# Allegro board GPS_INTERFACE_BOARD_v24_test_SFP_.brd (continued)
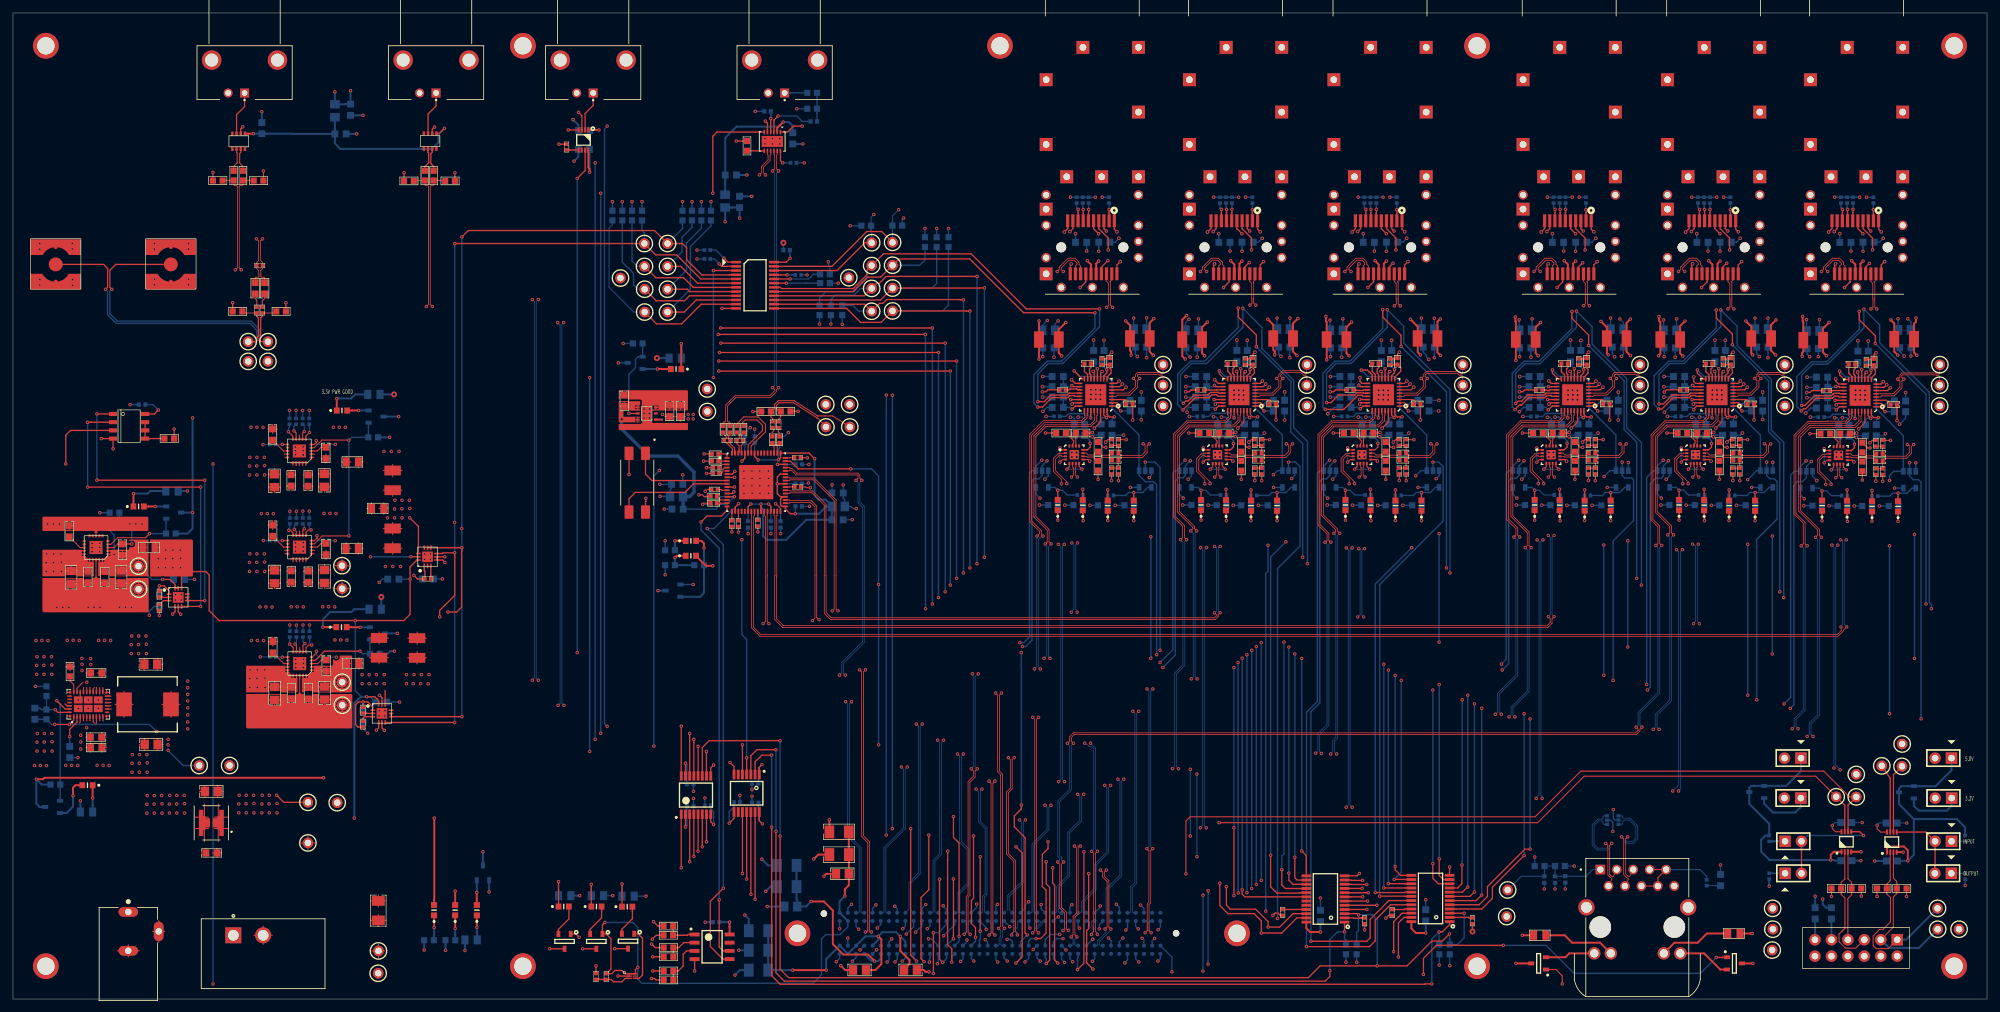
[diagram p0: board, top side]
## Routing (per net, layer and track width the routed paths; a pad name or vN(x,y) marks a point on that pad's centre or on a via; arc(x,y) is an arc through that point) (continued)
  BOTTOM w0.165: R70.2 v1(49.76,70.84) ; R255.2 v1(43.71,90.98) ; C129.2 v1(236.45,17.02) ; R113.2 v1(43.76,75.39) ; C115.2 v1(292.4,27.2) ; C15.1 107.16,77.62 107.14,77.64 106.74,77.64 106.45,77.93 v1(105.92,77.93) ; C23.1 119.14,86.96 v1(119.74,87.55) ; C127.2 v1(238.1,17.02) ; R262.2 v1(42.75,57.81) ; v1(113.85,88.31) 113,87.47 C20.1 113,86.91 ; R261.2 v1(43.76,57.78) ; R112.2 v1(44.75,75.41) ; C19.1 v1(118.52,71.93) ; C22.2 v1(126.47,79.48) ; v1(103.43,81.03) 103.43,80.3 103.43,80.3 C13.2 ; R118.2 v1(44.73,90.96) ; R256.2 v1(42.7,90.98) ; C24.1 v1(122.99,76.15) ; R258.2 v1(49.94,52.83) ; C16.2 101.06,75.74 101.04,75.72 v1(100.56,75.72) ; C29.2 129.09,74.07 129.11,74.09 v1(129.59,74.09) ; C25.1 v1(117.02,71.93) ; R259.2 v1(45.8,57.81) ; C119.2 v1(285.52,27.28) ; R63.2 v1(45.75,75.41) ; R115.2 v1(45.75,90.98) ; C26.1 122.72,79.65 v1(122.82,79.75) ; 121.81,82.63 C18.1 v1(122.89,82.63) ; R257.2 v1(38.61,85.7) ; R114.2 v1(49.78,85.72) ; R263.2 v1(38.2,52.88) ; R64.2 v1(42.75,75.39) ; R65.2 v1(38.66,70.87) ; C123.1 v1(263.65,20.73) ; R117.2 v1(241.07,20.55) ; C128.2 v1(239.67,17.02) ; C28.1 v1(114.53,88.06) ; R260.2 v1(44.78,57.81) ; C14.1 v1(106.5,76.45) ; C27.1 v1(113.51,71.93)
  BOTTOM w0.17: C240.2 192.89,87.15 v4(193.22,87.48) ; v4(284.63,86.79) 284.88,87.04 C142.1 ; C263.2 v4(174.22,93.83) ; C148.2 288.77,87.04 v4(289.1,87.38) ; C191.1 240.51,87.15 v4(240.26,86.89) ; v4(188.75,86.89) 189,87.15 C237.1 ; v4(244.73,87.48) 244.4,87.15 C196.2 ; C215.1 v4(220.14,90.88) ; R240.2 v4(159.51,90.04) ; v4(164.47,89.94) 165.1,89.94 165.48,89.56 C254.2 ; C259.1 v4(174.22,89.53) ; C220.2 v4(220.17,92.53)
  BOTTOM w0.203: J8.C40 127.64,6.3 v1(127.13,5.79) ; v1(21.06,59.31) 21.06,59.92 21.84,60.7 C59.2 ; v4(266.7,117.58) 266.09,116.97 C159.1 ; v4(276.78,90.55) 277.57,91.34 C150.2 ; v4(207.72,89.94) 208.08,89.94 208.31,89.71 C207.2 ; J8.D28 141.81,9.32 v1(141.35,9.32) ; C247.2 v4(160.73,99.19) ; v1(136.19,5.74) 136.53,6.07 J8.C33 ; C201.2 217.73,99.99 218.23,99.49 218.23,99.22 v4(218.59,98.86) ; J8.G4 173.35,11.23 v1(173.74,10.85) ; v4(260.4,89.94) 261.04,89.94 261.42,89.56 C162.2 ; R135.2 v4(277.52,89.94) ; C181.1 v4(237.69,118.29) ; v1(141.17,10.87) 141.6,11.3 141.6,12.06 ; v4(173.61,99.31) 173.3,99.62 C248.2 ; C139.2 283.49,89.46 283.11,89.84 v4(282.47,89.84) ; C189.1 v4(232.64,96.22) ; R36.2 v1(3.47,48.32) ; C190.1 v4(232.61,93.04) ; J8.H18 156.29,14.05 156.29,14.5 v1(156.82,15.04) ; C236.1 v4(196.34,89.48) ; v1(276.93,105.01) C134.1 ; v1(248.11,105.11) 248.68,104.54 C183.1 ; C145.1 v4(286.46,101.7) ; R139.2 v4(284.3,76.2) ; C203.1 v1(203.34,104.93) ; C193.2 v4(240.49,101.83) ; C231.2 187.6,89.56 187.23,89.94 v4(186.59,89.94) ; J8.D39 v1(128.91,9.42) ; U37.3 220.21,80.89 v1(219.74,80.42) ; J8.C17 156.84,6.32 v1(156.26,5.74) ; J8.D13 v1(162.59,7.59) ; C155.2 v4(256.67,99.19) ; C214.1 v4(212.88,101.8) ; J8.C20 153.03,6.35 v1(153.52,5.87) ; J8.H3 174.62,14 v1(174.09,14.53) ; C229.1 v1(197.16,105.23) ; J8.C5 172.09,5.99 v1(171.68,5.59) ; J8.G11 164.47,11.15 v1(164.67,10.95) ; v4(269.65,99.29) 269.24,99.7 C156.2 ; v1(146.3,5.82) 146.69,6.2 J8.C25 ; v1(135.69,9.3) 135.25,8.86 J8.D34 ; R159.2 v4(266.12,76.3) ; v1(143.69,9.78) 145.41,11.51 J8.G26 ; R80.2 v1(97.74,15.9) ; v4(203.76,80.34) 204.28,80.86 U36.3 ; v1(129.46,14.63) 128.91,14.07 J8.H39 ; J8.C32 137.79,6.35 v1(137.31,5.87) ; C250.1 v4(164.06,118.29) ; v1(142.72,5.46) 142.88,5.61 J8.C28 ; v1(163.5,14.58) 163.19,14.27 J8.H12 ; R219.2 v4(181.64,90.04) ; v1(171.37,9.42) 170.81,8.86 J8.D6 ; C182.1 243.79,116.97 v4(244.4,117.58) ; C262.2 v4(158.98,94.64) ; v1(148.36,5.87) 147.96,6.27 J8.C24 ; J8.G5 172.09,10.92 v1(171.83,10.67) ; R33.2 v1(100.7,65.57) ; C136.1 288.16,116.97 v4(288.77,117.58) ; C218.2 v4(211.28,101.83) ; C253.2 163.88,89.71 163.68,89.92 v4(163.27,89.92) ; C180.1 v1(232.55,104.98) ; v4(232.59,90.78) 233.25,91.44 C195.2 ; v1(147.29,9.14) 147.29,8.86 J8.D25 ; R153.2 v4(254.43,76.35) ; v1(175.45,80.58) 175.78,80.91 U45.3 ; J8.D2 175.9,8.99 v1(176.28,9.37) ; v1(158.6,5.87) 158.12,6.35 J8.C16 ; v4(192.89,117.58) 192.28,116.97 C228.1 ; v1(151.99,14.63) 151.76,14.4 151.76,13.34 ; C249.1 158.92,104.08 v1(159.72,104.88) ; J8.D37 v1(130.78,7.59) ; C143.1 292.23,89.77 v4(291.29,88.84) ; J8.G32 137.79,11.28 v1(137.39,10.87) ; R174.2 v4(232.13,76.35) ; C211.1 211.3,87.15 v4(211.05,86.89) ; R175.2 v4(236.04,76.33) ; v1(197.42,80.44) 197.9,80.92 U41.3 ; C3.2 v1(114.6,137.19) ; C197.2 v4(247.85,93.8) ; v1(163.63,5.77) 163.19,6.2 J8.C12 ; R138.2 v4(288.19,76.2) ; C113.2 v5(118.96,116.88) ; v1(136.17,14.35) 136.53,14 J8.H33 ; C111.2 v1(114.11,31.34) ; v1(247.01,25.91) 247.01,27.3 246.66,27.66 U5.2 ; J8.C13 161.93,6.1 v1(162.36,5.66) ; R238.2 v4(162.41,76.33) ; U28.3 255.79,80.86 v4(255.27,80.34) ; 159.38,13.34 158.75,13.97 v1(158.75,14.61) ; v4(247.29,99.26) 246.94,99.62 C179.2 ; C224.2 v4(182.86,99.19) ; R243.2 v4(170.18,76.3) ; C86.2 54.05,41.81 v1(54.79,41.07) ; C213.1 v4(203.43,96.22) ; v4(185.37,89.99) 185.72,89.99 186,89.71 C230.2 ; C147.2 v4(276.99,94.54) ; R201.2 v4(214.6,76.3) ; C112.2 v1(105.07,32.1) ; J8.H24 148.79,14.17 v1(148.79,14.68) ; R34.2 v1(100.7,70.83) ; U25.3 v1(293.79,82.87) ; v4(232.97,80.34) 233.49,80.86 U32.3 ; C204.1 v4(208.48,118.29) ; C188.1 v4(242.09,101.8) ; C166.1 v4(264.39,101.8) ; v1(129.62,5.84) 130.18,6.4 J8.C38 ; v4(254.99,90.7) 255.73,91.44 C171.2 ; C168.1 v4(254.91,93.04) ; v4(215.19,117.58) 214.58,116.97 C205.1 ; v4(166.62,86.89) 166.88,87.15 C258.1 ; v1(143.62,14.41) 144.15,13.88 J8.H27 ; U44.3 159.85,80.86 v4(159.33,80.34) ; C212.1 v4(203.4,93.04) ; J8.G40 v1(127.64,10.87) ; C266.2 v4(166.85,101.83) ; R177.2 v4(233.15,90.04) ; C160.1 v1(270.98,105.23) ; R95.2 v1(122.61,111.91) ; C146.1 v4(276.99,92.94) ; C161.2 259.82,89.71 259.61,89.92 v4(259.23,89.92) ; v4(215.52,87.48) 215.19,87.15 C217.2 ; C149.2 v4(284.86,101.73) ; C261.1 v4(168.45,101.8) ; C173.2 266.7,87.15 v4(267.03,87.48) ; C241.2 v4(196.34,93.83) ; 177.16,12.06 177.16,11.07 v1(176.81,10.72) ; v1(170.36,14.66) 170.81,14.2 J8.H6 ; J8.D10 v1(166.73,9.25) ; C272.1 v1(18.08,91.87) ; R133.2 v4(280.42,76.23) ; U40.3 181.98,80.86 v4(181.46,80.34) ; C271.1 v1(201.88,15.62) ; R222.2 v4(192.3,76.3) ; R4.2 v1(121.03,137.59) ; C202.2 v4(205.16,99.19) ; v1(150.11,9.19) 150.5,8.81 J8.D22 ; J8.G20 v1(153.91,11.19) ; C270.1 v1(218.14,15.37) ; v4(208.89,89.94) 209.53,89.94 209.91,89.56 C208.2 ; U33.3 v1(249.42,82.92) ; C137.1 293.05,104.64 v1(292.56,105.13) ; C84.1 v1(59.69,45.9) ; C265.2 159.64,91.44 v4(159.03,90.83) ; 141.6,6.99 141.6,6.31 141.5,6.21 v1(141.5,5.71) ; R154.2 v4(258.34,76.33) ; v4(238.1,89.94) 238.74,89.94 239.12,89.56 C185.2 ; J8.D3 174.62,9.12 v1(174.35,9.4) ; C169.1 v4(254.94,96.22) ; v1(133.45,10.97) 133.99,11.51 J8.G35 ; R110.2 v1(301.42,17.55) ; 169.54,8.26 169.54,9.04 v1(169.16,9.42) ; C17.2 v1(10.03,37.31) ; R216.2 v4(180.62,76.35) ; R198.2 v4(203.94,90.04) ; C133.2 v1(278.74,99.29) ; J8.H9 167.87,14.2 v1(167.87,14.38) ; R223.2 v4(188.42,76.3) ; C144.1 v4(277.01,96.11) ; v4(262.56,86.89) 262.81,87.15 C165.1 ; C242.2 v4(188.98,101.83) ; R237.2 v4(158.5,76.35) ; R195.2 v4(202.92,76.35) ; R181.2 v4(239.93,76.3) ; J8.D19 154.31,8.92 154,9.22 v1(153.49,9.22) ; J8.G8 167.74,11.53 v1(167.74,10.85) ; 177.16,6.99 177.16,6.25 v1(176.78,5.87) ; C206.1 v1(219.47,105.21) ; v4(203,90.45) 203.99,91.44 C216.2 ; J8.G23 150.27,11.02 v1(150.27,10.74) ; J8.C9 167,6.17 v1(166.67,5.84) ; J8.D16 v1(157.53,7.67) ; C74.2 v1(66.29,64.92) ; C225.2 195.43,99.7 v4(195.78,99.34) ; R202.2 v4(210.72,76.3) ; C264.2 v4(171.48,87.15) ; R244.2 v4(166.29,76.3) ; C178.2 v4(234.37,99.19) ; R47.2 v1(13.41,75.16) ; C109.1 v1(114.11,32.36) ; C257.1 v4(159,96.22) ; v1(130.58,10.79) 130.18,11.2 J8.G38 ; C192.1 v4(247.85,89.48) ; J8.G17 156.84,11.15 v1(157.02,10.97) ; C234.1 v4(181.13,96.22) ; C170.2 v4(262.79,101.83) ; v1(134.98,5.71) 135.25,5.99 J8.C34 ; C174.2 v4(254.91,94.64) ; J8.H36 132.72,14.02 v1(133.25,14.55) ; R94.2 v1(105.61,114.38) ; C260.1 v4(158.98,93.04) ; C69.1 57.05,64.9 v1(56.54,64.39) ; C243.2 v4(181.1,94.64) ; C58.1 v1(28.04,64.85) ; C227.1 v4(186.18,118.29) ; v4(170.76,117.58) 170.15,116.97 C251.1 ; v1(181.58,105.05) 181.04,104.51 C226.1 ; v1(152.04,5.71) 151.76,5.99 151.76,6.99 ; v4(236.93,89.92) 237.31,89.92 237.52,89.71 C184.2 ; C172.2 v4(270.16,93.8) ; R1.2 v1(122.17,129.24) ; C151.2 v4(292.23,93.73) ; v1(140.94,14.61) 140.34,14 J8.H30 ; v4(278.51,80.14) 277.86,80.78 U24.3 ; J8.G14 161.29,12.7 v1(161.42,12.7) ; C239.2 181.51,91.44 181.28,91.21 v4(181.28,90.7) ; C135.1 v4(282.07,118.29) ; R156.2 v4(255.45,90.04) ; R217.2 v4(184.53,76.33) ; C235.1 v4(190.58,101.8) ; R196.2 v4(206.83,76.33) ; v4(292.02,99.36) 291.31,100.08 C132.2 ; C238.1 v4(181.1,93.04) ; C110.1 v1(105.07,31) ; R93.2 v1(105.61,115.75) ; J8.C36 v1(133.35,7.62) ; C167.1 v4(270.16,89.56) ; R74.2 v1(92.61,15.98) ; C194.2 v4(232.61,94.64) ; C157.1 v1(254.85,104.95) ; v4(281.25,89.84) 281.66,89.84 281.89,89.61 C138.2 ; U29.3 v1(271.72,82.94) ; v1(173.84,5.74) 173.35,6.22 J8.C4 ; R180.2 v4(243.81,76.3) ; C158.1 v4(259.99,118.29) ; R132.2 v4(276.5,76.25) ; C252.1 v1(175.04,105.28) ; R160.2 v4(262.23,76.3) ; C219.2 v4(203.4,94.64)
  BOTTOM w0.305: C9.2 v1(113.31,127.36) ; v1(279.43,15.44) 279.43,14.65 279.95,14.12 C117.2 ; C45.2 v1(287.48,21.34) ; R37.2 v5(99.42,99.06) ; R106.2 v1(271.17,17.45) ; v1(111.48,3.71) 112.24,4.47 C103.2 ; C6.2 87.3,130.15 v1(86.64,129.49) ; C114.2 v1(285.32,21.39) ; C10.1 v1(54.05,136.57) ; R62.2 v5(56.88,62.14) ; R68.2 v1(63.49,7.57) ; C104.2 v1(112.06,7.54) ; C8.2 v1(121.97,132.15) ; C108.2 v1(106.88,11.89) ; R57.2 v5(58.85,93.45) ; v1(115.62,21.62) 116.59,20.65 C99.2 ; v1(116.23,16.65) 116.95,17.37 C98.2 ; C102.2 113.61,12.37 v1(113,12.98) ; R44.2 v1(10.4,30.65) ; R69.2 v1(66.79,7.53) ; C12.1 v1(53.06,133.71) ; C116.2 v1(278.26,15.9) ; C11.1 v1(38.43,137.13) ; R66.2 v1(87.5,15.98) ; R51.2 v1(26.95,78.51) ; R67.2 v1(69.79,7.51) ; C7.2 v1(114.07,124.06) ; C97.2 v1(116.46,14.3)
  vias: v1(3.32,36.09) v1(3.55,55.42) v1(3.71,52.91) v1(3.66,51.56) v1(3.66,50.19) v1(3.71,39.7) v1(3.71,38.33) v1(3.76,41.05) v1(4.14,116.76) v1(4.14,115.9) v1(4.14,111.2) v1(4.14,110.34) v1(4.24,36.09) v1(4.47,55.42) v1(4.8,52.91) v1(4.78,51.59) v1(4.8,50.19) v1(4.83,39.73) v1(4.85,41.05) v1(4.85,38.33) v1(5.18,36.07) v1(5.33,73.43) v1(5.41,55.4) v1(5.94,52.91) v1(5.99,51.64) v1(5.99,50.19) v1(5.99,41.05) v1(6.05,39.78) v1(6.05,38.33) v1(6.25,73.43) v1(6.78,60.52) v1(7.19,73.41) v1(7.69,60.53) v1(8.15,36.11) v1(8.38,55.44) v1(8.63,60.5) v1(9.07,36.12) v1(9.17,116.79) v1(9.17,115.93) v1(9.19,111.18) v1(9.19,110.31) v1(9.29,55.45) v1(10.01,36.1) v1(10.09,44.91) v1(10.23,55.42) v1(11.61,60.55) v1(11.63,46.23) v1(11.63,44.91) v1(12.22,70.43) v1(12.22,69.77) v1(12.22,69.14) v1(12.52,60.55) v1(13,36.11) v1(13.23,55.44) v1(13.18,46.23) v1(13.18,44.91) v1(13.41,70.46) v1(13.41,69.8) v1(13.39,69.14) v1(13.46,60.53) v1(13.92,36.12) v1(14.15,55.45) v1(14.86,36.1) v1(15.09,55.42) v1(16.46,60.55) v1(17.37,60.55) v1(18.06,73.43) v1(18.31,60.53) v1(18.31,56.11) v1(18.26,54.76) v1(18.26,53.39) v1(18.44,37.77) v1(18.39,36.42) v1(18.39,35.05) v1(18.97,73.43) v1(19.41,56.11) v1(19.38,54.79) v1(19.41,53.39) v1(19.53,37.77) v1(19.51,36.45) v1(19.53,35.05) v1(19.91,73.41) v1(20.55,56.11) v1(20.6,54.84) v1(20.6,53.39) v1(20.68,37.77) v1(20.73,36.5) v1(20.73,35.05) v1(20.73,31.45) v1(20.68,30.1) v1(20.68,28.73) v1(21.84,116.76) v1(21.84,115.9) v1(21.84,111.25) v1(21.84,110.39) v1(21.82,31.45) v1(21.79,30.12) v1(21.82,28.73) v1(22.96,31.45) v1(23.01,30.18) v1(23.01,28.73) v1(24.21,31.47) v1(24.16,30.12) v1(24.16,28.75) v1(25.1,62.51) v1(25.07,61.67) v1(25.3,31.47) v1(25.27,30.15) v1(25.3,28.75) v1(25.98,62.51) v1(25.96,61.67) v1(26.44,31.47) v1(26.49,30.2) v1(26.49,28.75) v1(27.1,116.76) v1(27.1,115.9) v1(27.1,111.25) v1(27.1,110.39) v1(36.75,88.36) v1(36.83,55.42) v1(37.67,88.37) v1(37.74,55.42) v1(38.15,60.6) v1(38.35,75.03) v1(38.61,88.34) v1(38.68,55.4) v1(39.06,60.6) v1(39.27,75.03) v1(40,60.58) v1(40.21,75.01) v1(42.97,60.62) v1(43.59,85.32) v1(43.59,84.73) v1(43.61,84.12) v1(43.64,70.51) v1(43.64,69.85) v1(43.64,69.22) v1(43.66,52.5) v1(43.66,51.84) v1(43.66,51.21) v1(43.89,60.63) v1(44.83,85.34) v1(44.81,84.73) v1(44.83,84.1) v1(44.83,84.1) v1(44.83,70.54) v1(44.83,69.88) v1(44.81,69.22) v1(44.83,60.61) v1(44.83,51.21) v1(44.86,52.53) v1(44.86,51.87) v1(47.83,60.62) v1(48.03,75.05) v1(48.74,60.63) v1(48.94,75.06) v1(49.48,88.36) v1(49.68,60.61) v1(49.71,55.49) v1(49.88,75.03) v1(50.39,88.37) v1(50.62,55.5) v1(51.33,88.34) v1(51.56,55.48) v1(56.54,44.58) v1(56.52,43.74) v1(57.28,84.63) v1(57.43,44.58) v1(57.4,43.74) v1(57.51,66.85) v1(58.42,84.63) v1(58.65,66.85) v1(59.61,84.63) v1(59.84,66.85) v1(63.58,68.78) v1(63.55,67.94) v1(64.44,67.94) v1(64.47,68.78) v1(97.43,89.81) v1(97.46,91.19) v1(97.46,90.53) v1(98.3,91.19) v1(98.27,90.5) v1(98.27,89.81) v1(112.85,81.58) v1(112.88,80.44) v1(112.85,79.3) v1(112.88,78.16) v1(114.1,81.61) v1(114.12,80.47) v1(114.1,79.32) v1(114.12,78.18) v1(115.32,81.61) v1(115.34,80.47) v1(115.32,79.32) v1(115.34,78.18) v1(116.1,132.99) v1(116.1,132.16) v1(116.64,81.61) v1(116.64,79.32) v1(116.66,80.47) v1(116.66,78.18) v1(117.25,132.16) v1(117.27,132.99) v1(118.41,132.99) v1(118.39,132.16) v4(163.5,84.48) v4(163.5,83.77) v4(164.21,84.48) v4(164.24,84.45) v4(164.24,83.77) v4(164.24,83.74) v4(166.45,94.16) v4(166.45,93.45) v4(166.42,92.71) v4(167.16,94.16) v4(167.18,93.45) v4(167.16,92.71) v4(167.89,94.13) v4(167.92,93.42) v4(167.89,92.68) v4(185.62,84.48) v4(185.62,83.77) v4(186.33,84.48) v4(186.36,83.77) v4(188.54,94.08) v4(188.54,93.37) v4(188.52,92.63) v4(189.26,94.08) v4(189.28,93.37) v4(189.26,92.63) v4(189.99,94.06) v4(190.02,93.34) v4(189.99,92.61) v4(207.92,84.48) v4(207.92,83.77) v4(208.64,84.48) v4(208.66,83.77) v4(210.85,92.63) v4(210.87,94.08) v4(210.87,93.37) v4(211.58,94.08) v4(211.61,93.37) v4(211.58,92.63) v4(212.32,94.06) v4(212.34,93.34) v4(212.32,92.61) v4(237.13,84.48) v4(237.13,83.77) v4(237.85,84.48) v4(237.87,83.77) v4(240.11,94.08) v4(240.11,93.37) v4(240.08,92.63) v4(240.82,94.08) v4(240.84,93.37) v4(240.82,92.63) v4(241.55,94.06) v4(241.58,93.34) v4(241.55,92.61) v4(259.44,84.48) v4(259.44,83.77) v4(260.15,84.48) v4(260.17,83.77) v4(262.38,94.11) v4(262.38,93.4) v4(262.36,92.66) v4(263.09,94.11) v4(263.12,93.4) v4(263.09,92.66) v4(263.83,94.08) v4(263.83,92.63) v4(263.86,93.37) v4(281.56,84.48) v4(281.56,83.77) v4(282.27,84.48) v4(282.3,83.77) v4(284.51,94.08) v4(284.51,93.37) v4(284.48,92.63) v4(285.22,94.08) v4(285.24,93.37) v4(285.22,92.63) v4(285.95,94.06) v4(285.98,93.34) v4(285.95,92.61)
